# Altium PCB usb-cereal-pcb.PcbDoc
Units mil, origin at the board's own origin, x right, y up, seen from the top; angles counter-clockwise.
Board outline 955.43 x 889.92 mil, 6 copper layers (top, top_gnd, top_sig, bot_sig, bot_gnd, bot), stack 30.828 mil thick; 43 components, 41 nets, 240 pads, 168 vias.
Unrouted connection lines stored in the file: 42.
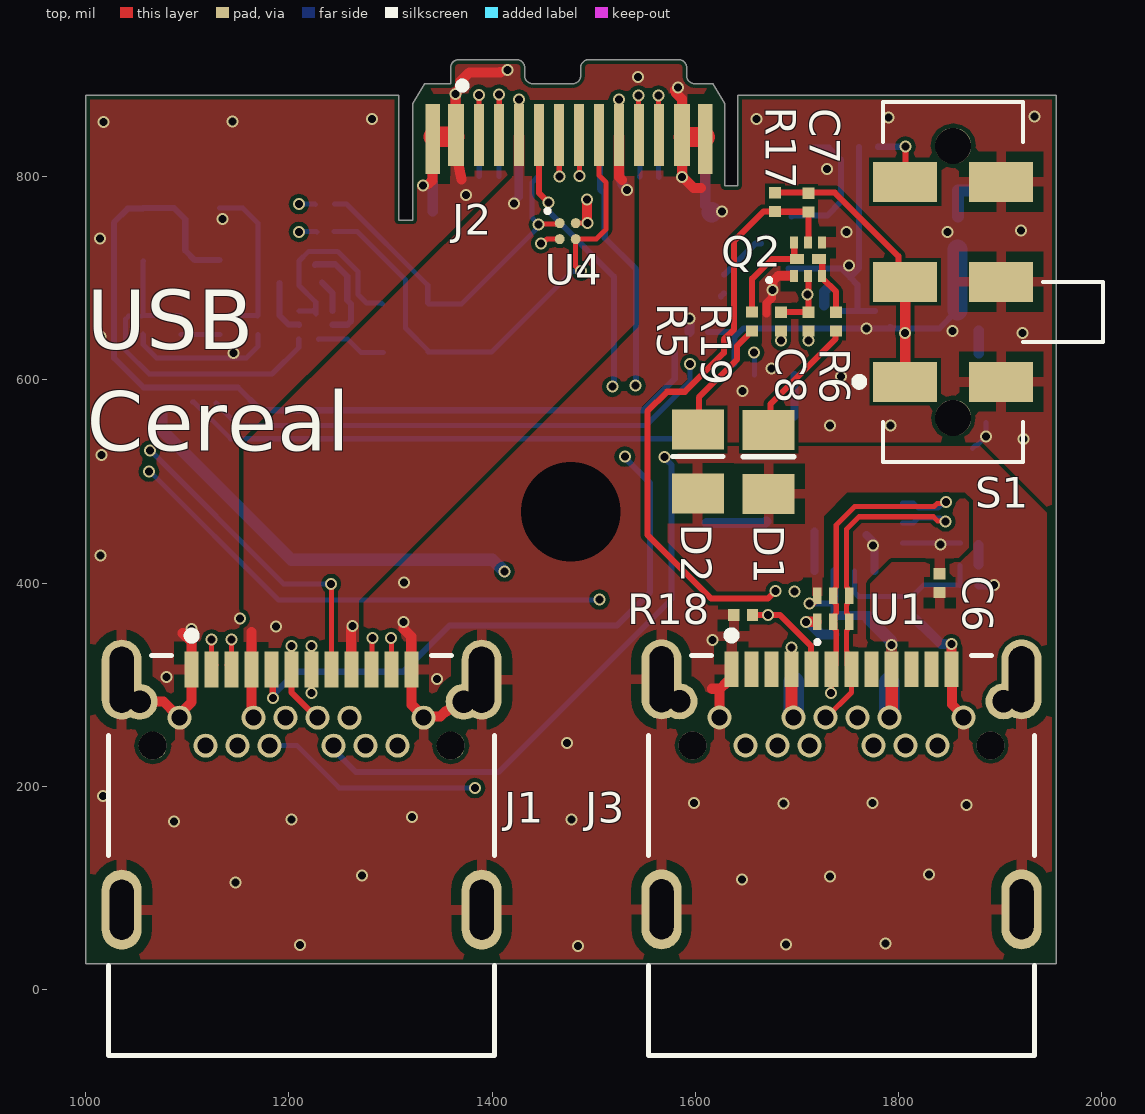
[diagram p0: top view]
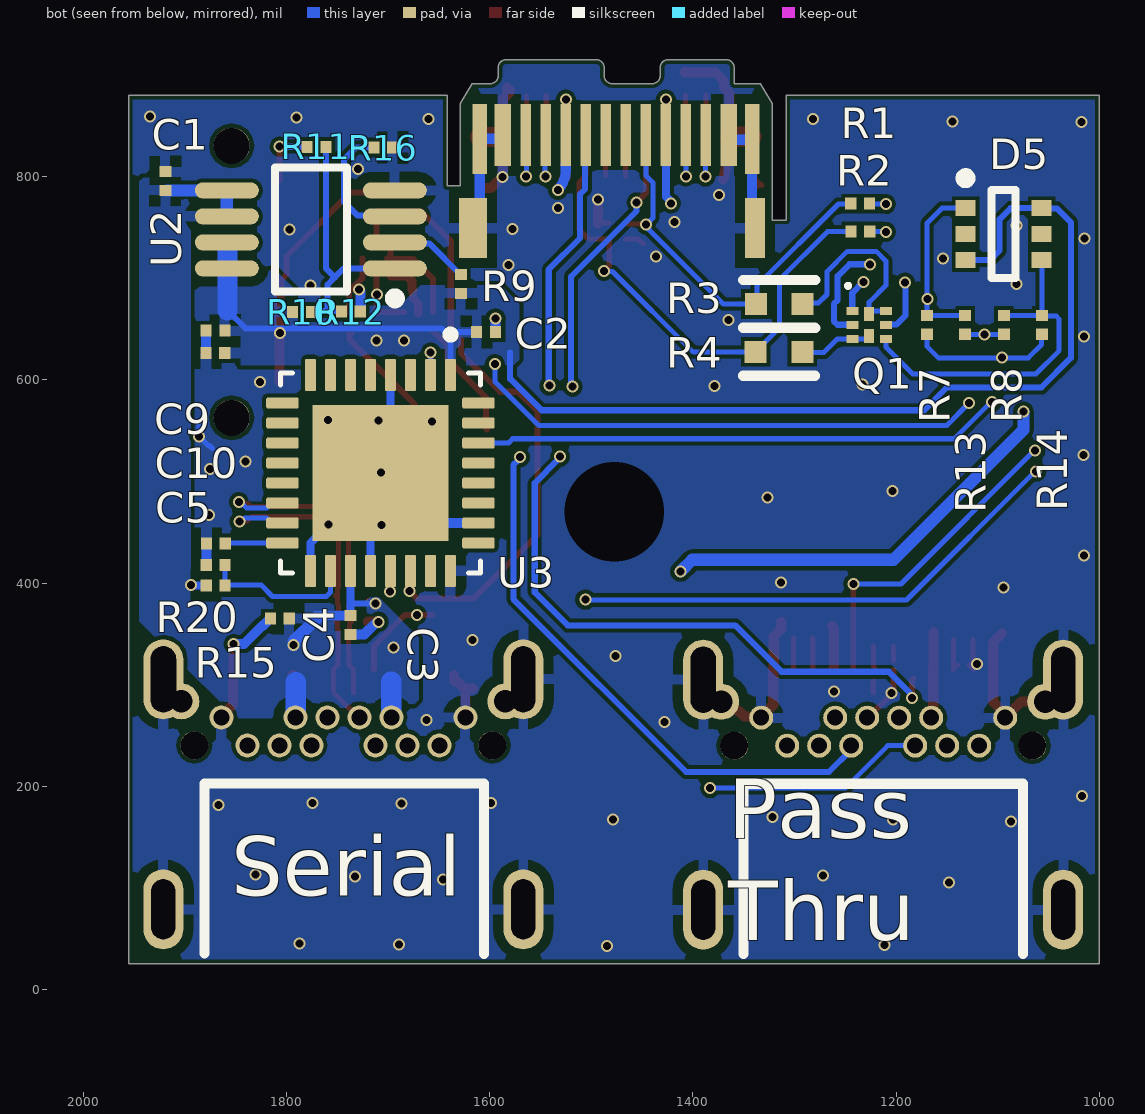
[diagram p1: bot view, seen from below]
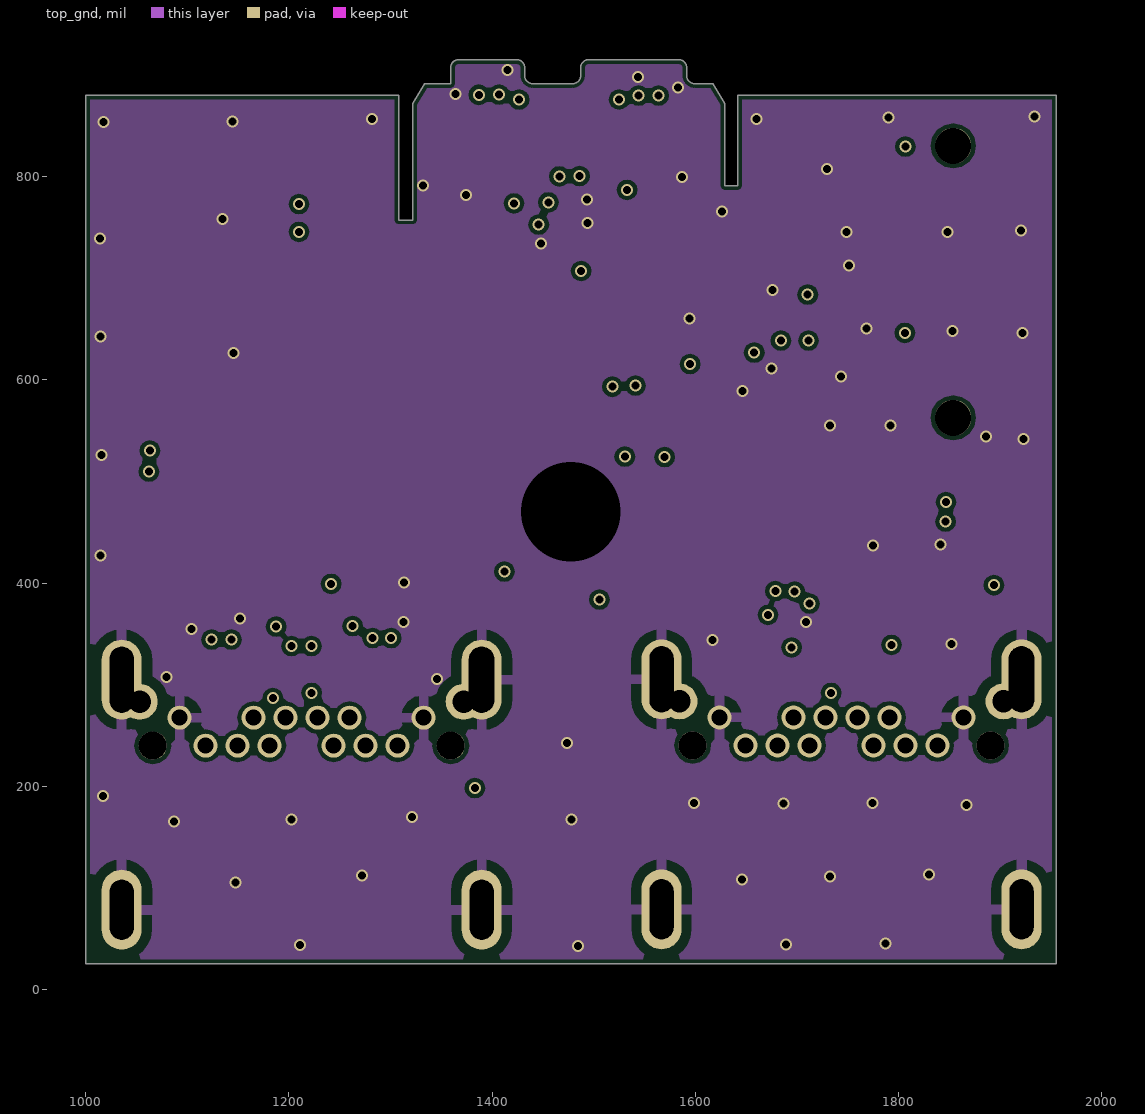
[diagram p2: top_gnd]
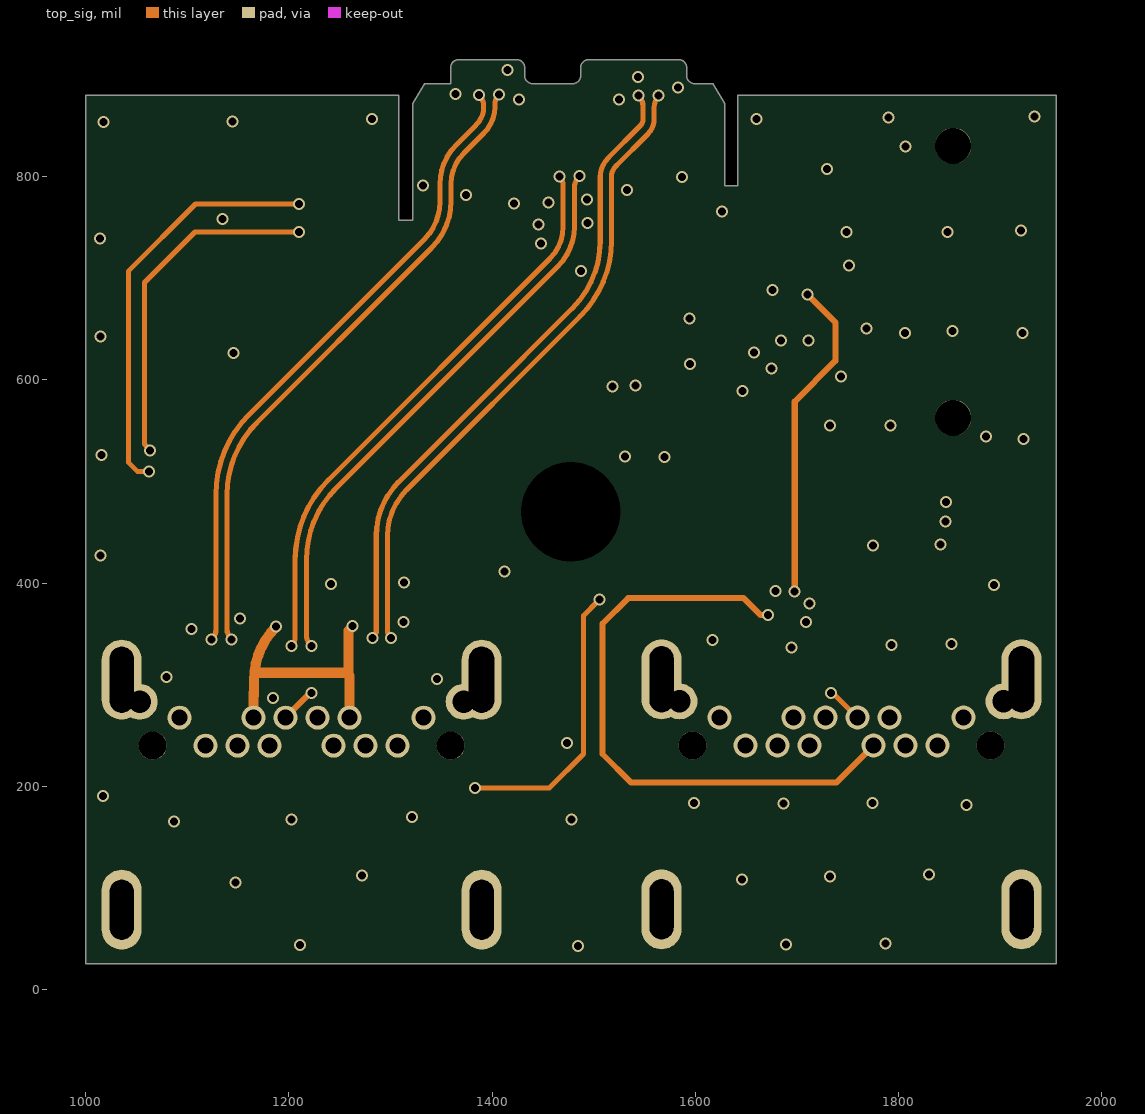
[diagram p3: top_sig]
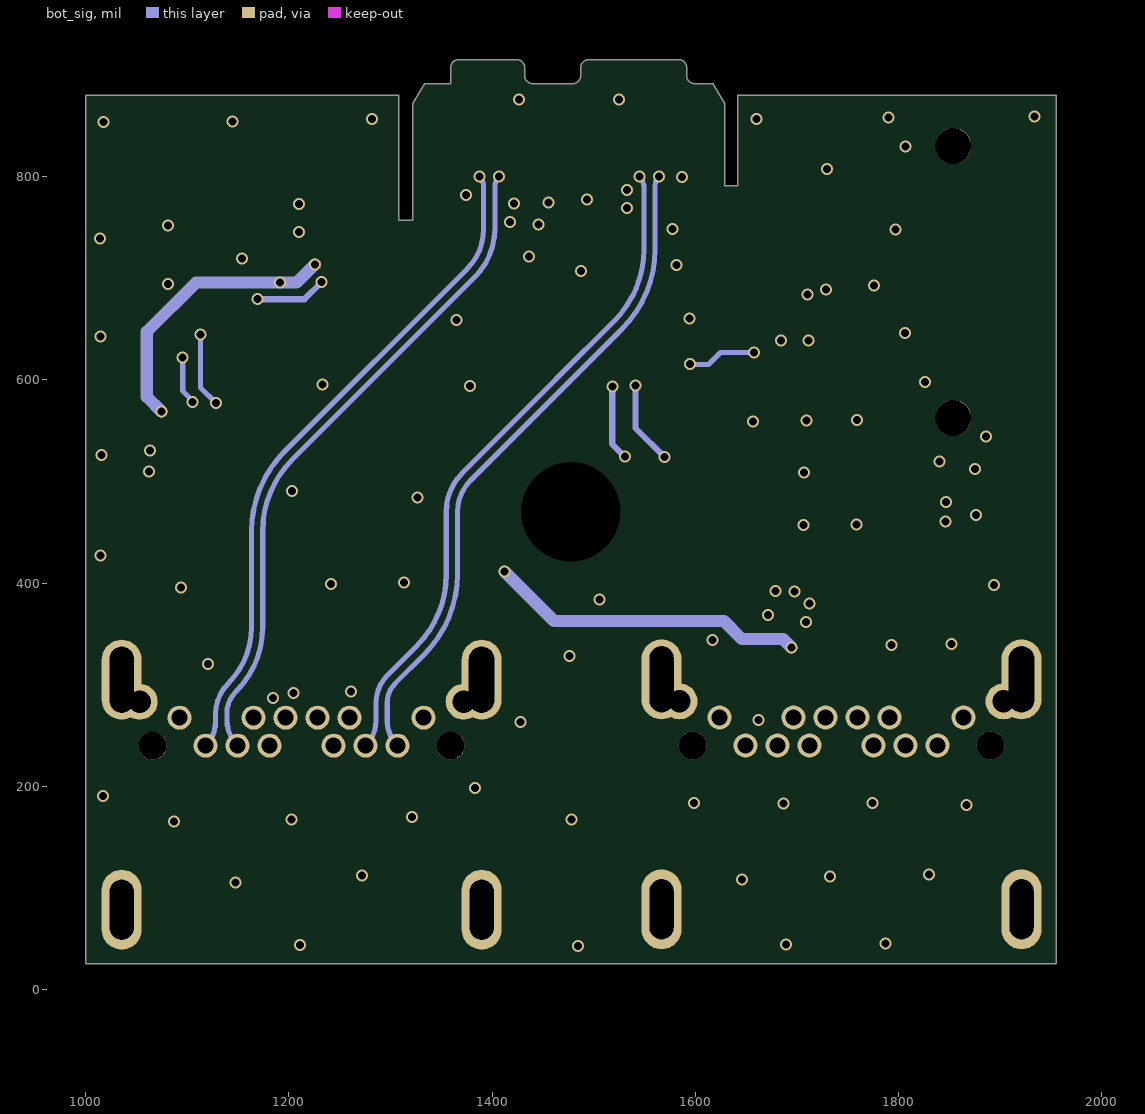
[diagram p4: bot_sig]
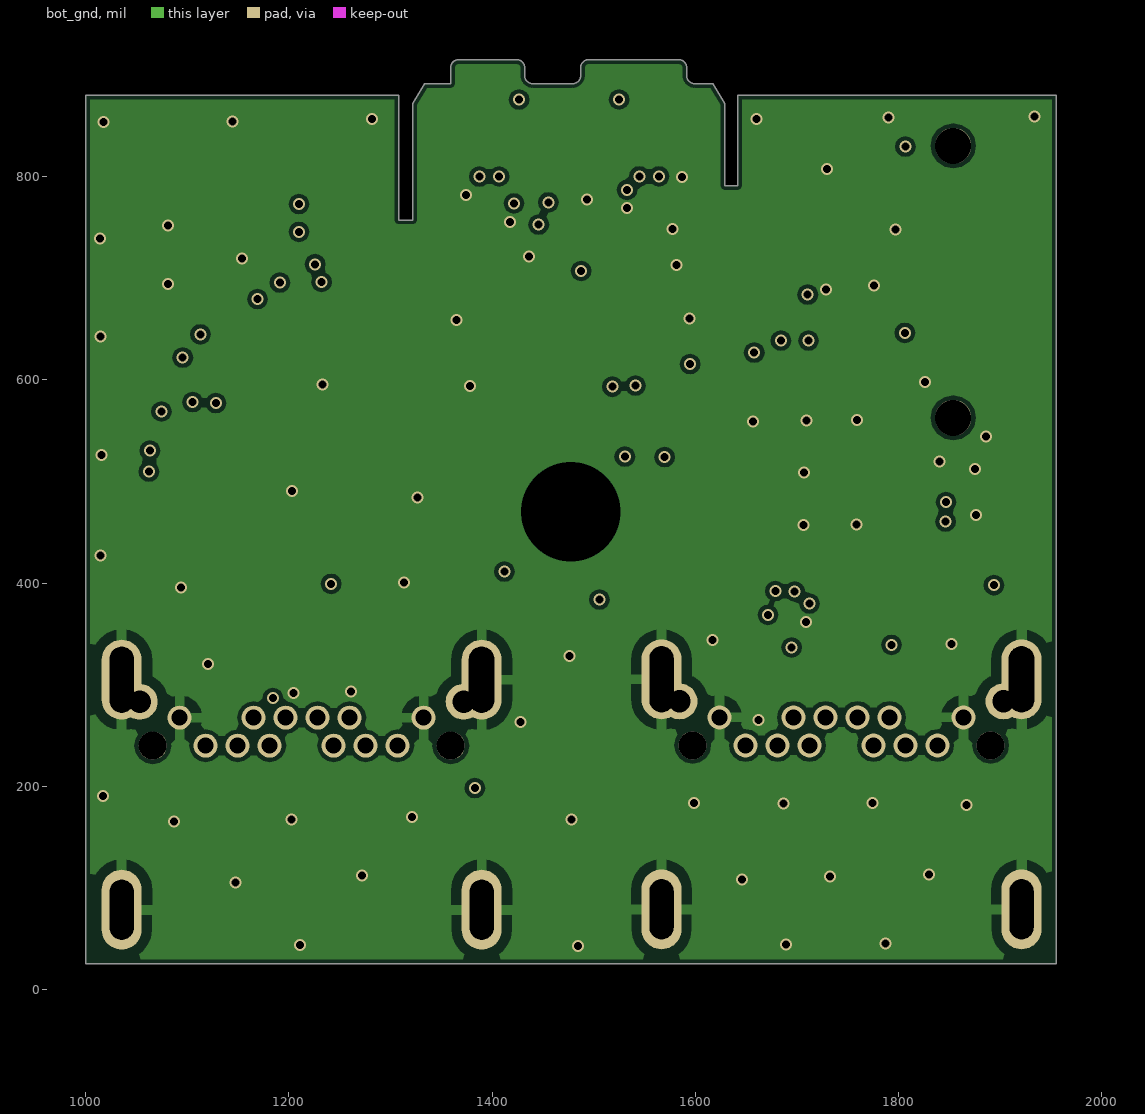
[diagram p5: bot_gnd]
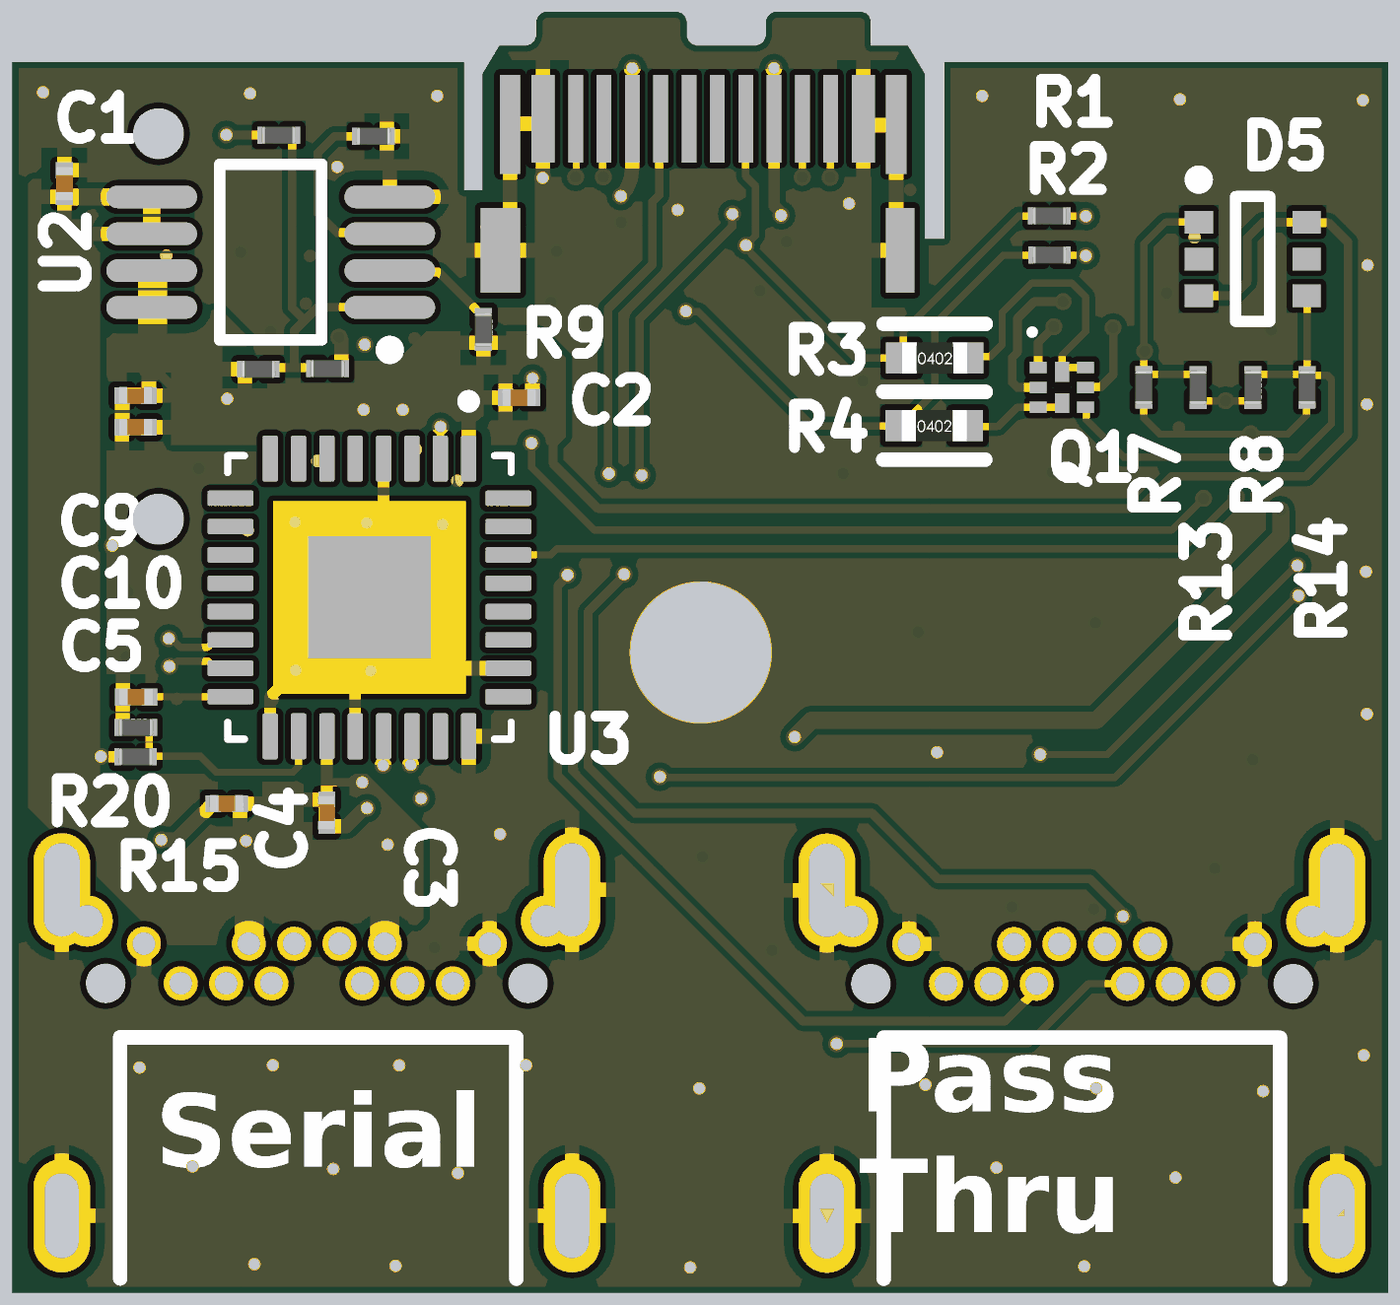
[diagram p6: 3D render of the assembled board from below, using the file's embedded part models]

## Layer stack, top to bottom
Top Solder: solder mask 0.4, Solder Resist, Dk 3.5
top: signal copper 0.709
Dielectric 1: prepreg 4.331, FR-4, Dk 4.29
top_gnd: signal copper 1.378
Dielectric 3: prepreg 5.118, PP-006, Dk 3.96
top_sig: signal copper 1.378
Dielectric 4: prepreg 4.331, PP-006, Dk 4.29
bot_sig: signal copper 1.378
FR-4: prepreg 5.118, Dk 3.96
bot_gnd: signal copper 1.378
Dielectric 2: prepreg 4.331, Dk 4.29
bot: signal copper 1.378
Bottom Solder: solder mask 0.4, Solder Resist, Dk 3.5

## Board outline
1000,880.32 1308.27,880.32 1308.27,757.32 1321.89,757.32 1321.89,871.93 1333.7,891.62 1359.29,891.62 1359.29,907.37 cw(c1367.16,907.37) 1367.16,915.24 1424.25,915.24 cw(c1424.25,907.37) 1432.12,907.37 1432.12,899.49 ccw(c1440,899.49) 1440,891.62 1479.37,891.62 ccw(c1479.37,899.49) 1487.24,899.49 1487.24,907.37 cw(c1495.11,907.37) 1495.11,915.24 1583.7,915.24 cw(c1583.7,907.37) 1591.57,907.37 1591.57,899.49 ccw(c1599.44,899.49) 1599.44,891.62 1617.16,891.62 1628.97,871.93 1628.97,791.22 1641.85,791.22 1641.85,880.32 1955.43,880.32 1955.43,25.32 1000,25.32

## Design rules (kind name [scope] priority, off if disabled: settings)
BoardOutlineClearance [All] p1: gap=4 ignorepadtopadclearanceinfootprint=FALSE
Clearance [All] p1: gap=4 ignorepadtopadclearanceinfootprint=FALSE
DiffPairsRouting [All] p1: maxlimit=6 minlimit=4 mostfreqgap=6 toplayer_minwidth=4 toplayer_maxwidth=5 toplayer_prefwidth=4 midlayer1_minwidth=4 midlayer1_maxwidth=5 midlayer1_prefwidth=4 midlayer2_minwidth=4 midlayer2_maxwidth=5 midlayer2_prefwidth=4 midlayer3_minwidth=4 midlayer3_maxwidth=5 midlayer3_prefwidth=4 midlayer4_minwidth=4 midlayer4_maxwidth=5 midlayer4_prefwidth=4 bottomlayer_minwidth=4 bottomlayer_maxwidth=5 bottomlayer_prefwidth=4 maxuncoupledlength=500
MatchedLengths MatchedLengths_1 [InDifferentialPairClass('SS')] p1: tolerance=15 checknetsindiffpair=FALSE checkdiffpairvsdiffpair=TRUE checkxsignals=TRUE checkothers=TRUE
MatchedLengths [InDifferentialPairClass('All Differential Pairs')] p2: tolerance=5 checknetsindiffpair=TRUE checkdiffpairvsdiffpair=FALSE checkxsignals=FALSE checkothers=FALSE
MinimumSolderMaskSliver [All] p1: minsoldermaskwidth=0
PolygonConnect PolygonConnect_1 [All] p1: thpad.connectstyle=Relief thpad.reliefconductorwidth=10 thpad.reliefentries=4 thpad.polygonreliefangle="90 Angle" thpad.airgapwidth=10 smdpad.connectstyle=Relief smdpad.reliefconductorwidth=10 smdpad.reliefentries=4 smdpad.polygonreliefangle="90 Angle" smdpad.airgapwidth=10 via.connectstyle=Direct via.reliefconductorwidth=10 via.reliefentries=4 via.polygonreliefangle="90 Angle" via.airgapwidth=10
PolygonConnect [IsVia AND InNet('GND')] p2 off: connectstyle=Direct reliefconductorwidth=10 reliefentries=4 polygonreliefangle="90 Angle" airgapwidth=5
RoutingVias [All] p1: holewidth=28 width=50 viastyle="Through Hole" minholewidth=28 minwidth=50 maxholewidth=28 maxwidth=50
SilkToSilkClearance [All] p1: silktosilkclearance=1
SilkToSolderMaskClearance [IsPad] p1: minsilkscreentomaskgap=1 clearancetoexposedcopper=TRUE
SolderMaskExpansion [All] p1: expansion=4 istentingtop=FALSE
Width [All] p1: maxlimit=40 minlimit=4 preferedwidth=6
26 further rules are at their usual default settings.

## Classes and differential pairs
differential pair TX2: +TX2_N -TX2_P
differential pair TX1: +TX1_P -TX1_N
differential pair RX2: +RX2_P -RX2_N
differential pair RX1: +RX1_P -RX1_N
differential pair D: +D_P -D_N
differential pair USB_FT_HS: +USB_FT_HS_P -USB_FT_HS_N

## Components (designator, comment, footprint, x,y, rotation, side; value= is the part's Value field where it differs from the comment)
C1 "1µF" SMD-0201C 1919.25,795.8 r90 bottom
C2 "1µF" SMD-0201C 1603.57,647.24 r180 bottom
C3 "0.10µF" SMD-0201C 1737.09,358.78 r270 bottom
C4 "4.7µF" SMD-0201C 1806.56,365.05 r0 bottom
C5 "0.10µF" SMD-0201C 1869.42,439.07 r0 bottom
C6 "10000pF" SMD-0201C 1840.56,399.96 r90 top
C7 "2.2µF" SMD-0201C 1711.32,774.57 r270 top
C8 "2.2µF" SMD-0201C 1711.47,657.42 r90 top
C9 "1µF" SMD-0201C 1869.82,648.51 r0 bottom
C10 "1µF" SMD-0201C 1869.88,626.52 r0 bottom
D1 "LTST-C171GKT" 0805 1672.27,519.4 r90 top
D2 "LTST-C171KSKT" 0805 1602.47,519.66 r90 top
D5 "MBD54DWT1" ONSC-SOT-363-6-419B-02_W_V 1094.13,743.45 r180 bottom
J1 "UJ31-CH-G1-SMT-TR" CUI_UJ31-CH-G1-SMT-TR 1104.32,315.01 r0 top
J2 "DX07P024AJ1R1500" JAE_DX07P024AJ1R1500 1475.7,914.76 r180 top
J3 "UJ31-CH-G1-SMT-TR" CUI_UJ31-CH-G1-SMT-TR 1635.7,315.3 r0 top
Q1 "PMDXB600UNEZ" NXP-SOT1216_N 1226.55,654.26 r180 bottom
Q2 "PMDXB600UNEZ" NXP-SOT1216_N 1711.18,718.91 r90 top
R1 "0.0" SMD-0201-RES 1235.33,773.41 r180 bottom
R2 "0.0" SMD-0201-RES 1235.2,746.24 r180 bottom
R3 "62" SMD-0402-RES 1314.88,674.73 r270 bottom
R4 "62" SMD-0402-RES 1315.21,627.67 r270 bottom
R5 "1k" SMD-0201-RES 1655.91,657.5 r270 top
R6 "270" SMD-0201-RES 1738.55,657.38 r270 top
R7 "0.0" SMD-0201-RES 1169.71,654.24 r270 bottom
R8 "0.0" SMD-0201-RES 1093.91,654.13 r270 bottom
R9 "53.6k" SMD-0201-RES 1628.27,694.46 r270 bottom
R10 "53.6k" SMD-0201-RES 1784.7,666.91 r0 bottom
R11 "22.1k" SMD-0201-RES 1770.44,829.43 r0 bottom
R12 "30.1k" SMD-0201-RES 1736.52,667.28 r0 bottom
R13 "0.0" SMD-0201-RES 1132.04,654.13 r270 bottom
R14 "0.0" SMD-0201-RES 1056.34,654.21 r270 bottom
R15 "4.7k" SMD-0201-RES 1869.74,397.66 r0 bottom
R16 "0.0" SMD-0201-RES 1704.63,828.72 r0 bottom
R17 "30.1k" SMD-0201-RES 1678.5,774.91 r90 top
R18 "5.1k" SMD-0201-RES 1647.13,368.78 r0 top
R19 "30.1k" SMD-0201-RES 1684.55,657.42 r270 top
R20 "10k" SMD-0201-RES 1869.66,418.06 r180 bottom
S1 "JS202011JAQN" JS202011JAQN 1853.92,696.59 r90 top
U1 "ESDR0502NMUTAG" ONSC-UDFN-6-517AA-01_V 1735.92,374.74 r90 top
U2 "TPS77401DGK" TI-DGK8_N 1775.99,748.19 r0 bottom
U3 "FT232RQ" QFN50P500X500X90-33N 1707.46,508.36 r270 bottom
U4 "ESD7383NCTBG" ONSC-WLCSP-4-567CB-01 1474.46,746.47 r0 top

## Footprints (in the part's own frame and the unit in brackets; to place one, negate y for a bottom-side part, rotate by r counter-clockwise, add the part's x,y. Pads: shape width x height; smd on the part's side, far side on the other; paste and mask are expansions set on the pad)
0805 [mm]
  rect 1x1.3 smd: 1(-0.8,0) 2(0.8,0)
  silkscreen extent 0.13,-0.64 0.13,0.64, body extent -1.07,-0.64 1.07,0.76, height 0.7
CUI_UJ31-CH-G1-SMT-TR [mm]
  rect 0.35x0.89 smd: A1(0,0) A2(0.5,0) A3(1,0) A4(1.5,0) A5(2,0) A6(2.5,0) A7(3,0) A8(3.5,0) A9(4,0) A10(4.5,0) A11(5,0) A12(5.5,0)
  round 0.6 hole 0.4: B1(5.8,-1.205) B2(5.15,-1.905) B3(4.35,-1.905) B4(3.95,-1.205) B5(3.55,-1.905) B6(3.15,-1.205) B7(2.35,-1.205) B8(1.95,-1.905) B9(1.55,-1.205) B10(1.15,-1.905) B11(0.35,-1.905) B12(-0.3,-1.205)
  oval 1x2 hole 0.6 slot 1.5 at 90 deg: SH1(-1.75,-6.005) SH4(7.25,-6.005)
  round 0.9 hole 0.559: SH2(-1.3,-0.805) SH5(6.8,-0.805)
  oval 1x2 hole 0.6 slot 1.651 at 90 deg: SH3(-1.75,-0.255)
  oval 1x2 hole 0.635 slot 1.651 at 90 deg: SH6(7.25,-0.255)
  round 0.7 hole 0.7 unplated: ""(-0.975,-1.905) ""(6.475,-1.905)
  silkscreen extent -2.07,-9.65 7.57,0.94
JAE_DX07P024AJ1R1500 [mm]
  rect 0.36x1.75 smd: 13(-3.405,1.975) 14(3.405,1.975)
  rect 0.36x1.75 smd far side: 15(-3.405,1.975) 16(3.405,1.975)
  rect 0.7x1.5 smd far side: 17(-3.575,4.2)
  rect 0.5x1.5 smd far side: 18(3.475,4.2)
  rect 0.41x1.55 smd: A1(2.825,1.875) A12(-2.825,1.875)
  rect 0.26x1.55 smd: A2(2.25,1.875) A3(1.75,1.875) A4(1.25,1.875) A5(0.75,1.875) A6(0.25,1.875) A7(-0.25,1.875) A8(-0.75,1.875) A9(-1.25,1.875) A10(-1.75,1.875) A11(-2.25,1.875)
  rect 0.41x1.55 smd far side: B1(-2.825,1.875) B12(2.825,1.875)
  rect 0.26x1.55 smd far side: B2(-2.25,1.875) B3(-1.75,1.875) B4(-1.25,1.875) B5(-0.75,1.875) B6(-0.25,1.875) B7(0.25,1.875) B8(0.75,1.875) B9(1.25,1.875) B10(1.75,1.875) B11(2.25,1.875)
  silkscreen extent 2.62,0.59 2.72,0.68
JS202011JAQN [mm]
  rect 1x1.6 smd: 1(-2.5,1.2) 2(0,1.2) 3(2.5,1.2) 4(-2.5,-1.2) 5(0,-1.2) 6(2.5,-1.2)
  round 0.9 hole 0.9 unplated: ""(-3.4,0) ""(3.4,0)
  silkscreen extent -4.5,-3.75 4.5,2.45
NXP-SOT1216_N [mm] "SON, 6-Leads, Body 1.15x1.05mm, Pitch 0.35mm, 2X Thermal Pad 0.35x0.25mm, IPC Medium Density"
  rect 0.3x0.2 smd: 1(-0.417,0.35) 2(-0.417,0) 3(-0.417,-0.35) 4(0.418,-0.35) 5(0.418,0) 6(0.418,0.35)
  rect 0.25x0.35 smd: 7(0,0.275) 8(0,-0.275)
  silkscreen extent -0.57,0.93 -0.47,1.02, body extent -0.52,-0.57 0.53,0.58, height 0.4
ONSC-SOT-363-6-419B-02_W_V [mm] "SOT23, 6-Leads, Body 2x1.25mm, Pitch 0.65mm"
  rect 0.5x0.4 smd: 1(-0.95,0.65) 2(-0.95,0) 3(-0.95,-0.65) 4(0.95,-0.65) 5(0.95,0) 6(0.95,0.65)
  silkscreen extent -1.08,-1.1 0.3,1.52, body extent -0.63,-1 0.63,1, height 1.1
ONSC-UDFN-6-517AA-01_V [mm] "SON, 6-Leads, Body 1.2x1mm, Pitch 0.4mm"
  rect 0.42x0.22 smd: 1(-0.325,0.4) 2(-0.325,0) 3(-0.325,-0.4) 4(0.325,-0.4) 5(0.325,0) 6(0.325,0.4)
  silkscreen extent -0.88,0.35 -0.79,0.45, body extent -0.5,-0.6 0.5,0.6, height 0.55
ONSC-WLCSP-4-567CB-01 [mm] "BGA, 4-Balls, Body 0.8x0.8mm, Pitch 0.4mm"
  round 0.25 smd: A1(-0.2,0.2) A2(0.2,0.2) B1(-0.2,-0.2) B2(0.2,-0.2)
  silkscreen extent -0.55,0.46 -0.46,0.55, body extent -0.4,-0.4 0.4,0.4, height 0.63
QFN50P500X500X90-33N [mm]
  rrect25% 0.81x0.27 smd: 1(-2.45,1.75) 2(-2.45,1.25) 3(-2.45,0.75) 4(-2.45,0.25) 5(-2.45,-0.25) 6(-2.45,-0.75) 7(-2.45,-1.25) 8(-2.45,-1.75) 17(2.45,-1.75) 18(2.45,-1.25) 19(2.45,-0.75) 20(2.45,-0.25) 21(2.45,0.25) 22(2.45,0.75) 23(2.45,1.25) 24(2.45,1.75)
  rrect25% 0.27x0.81 smd: 9(-1.75,-2.45) 10(-1.25,-2.45) 11(-0.75,-2.45) 12(-0.25,-2.45) 13(0.25,-2.45) 14(0.75,-2.45) 15(1.25,-2.45) 16(1.75,-2.45) 25(1.75,2.45) 26(1.25,2.45) 27(0.75,2.45) 28(0.25,2.45) 29(-0.25,2.45) 30(-0.75,2.45) 31(-1.25,2.45) 32(-1.75,2.45)
  rect 3.4x3.4 smd paste-3: 33(0,0)
  silkscreen extent -3.56,-2.5 2.5,2.5
SMD-0201-RES [mm] "SMD-0201-RES"
  rect 0.28x0.3 smd: 1(-0.235,0) 2(0.235,0)
  body extent -0.3,-0.15 0.3,0.15, height 0.3
SMD-0201C [mm] "SMD-0201"
  rect 0.28x0.3 smd: 1(-0.235,0) 2(0.235,0)
  body extent -0.3,-0.15 0.3,0.15, height 0.3
SMD-0402-RES [mm]
  rect 0.55x0.55 smd: 1(0,0.584) 2(0,-0.584)
  silkscreen extent -0.6,-0.9 0.6,0.9, body extent -0.27,-0.57 0.28,0.58, height 0.41
TI-DGK8_N [mm] "SOP, 8-Leads, Body 3x3mm, Pitch 0.65mm, IPC Medium Density"
  oval 1.6x0.4 smd: 1(-2.1,0.975) 2(-2.1,0.325) 3(-2.1,-0.325) 4(-2.1,-0.975) 5(2.1,-0.975) 6(2.1,-0.325) 7(2.1,0.325) 8(2.1,0.975)
  silkscreen extent -2.22,-1.55 0.9,1.85, body extent -1.55,-1.55 1.55,1.55, height 1.1
